# Allegro board RK3588S_Template_LP4XD200P232SD10H2_30X30_2133MHz_H1R6_V11_20220218YWQ.brd (continued)
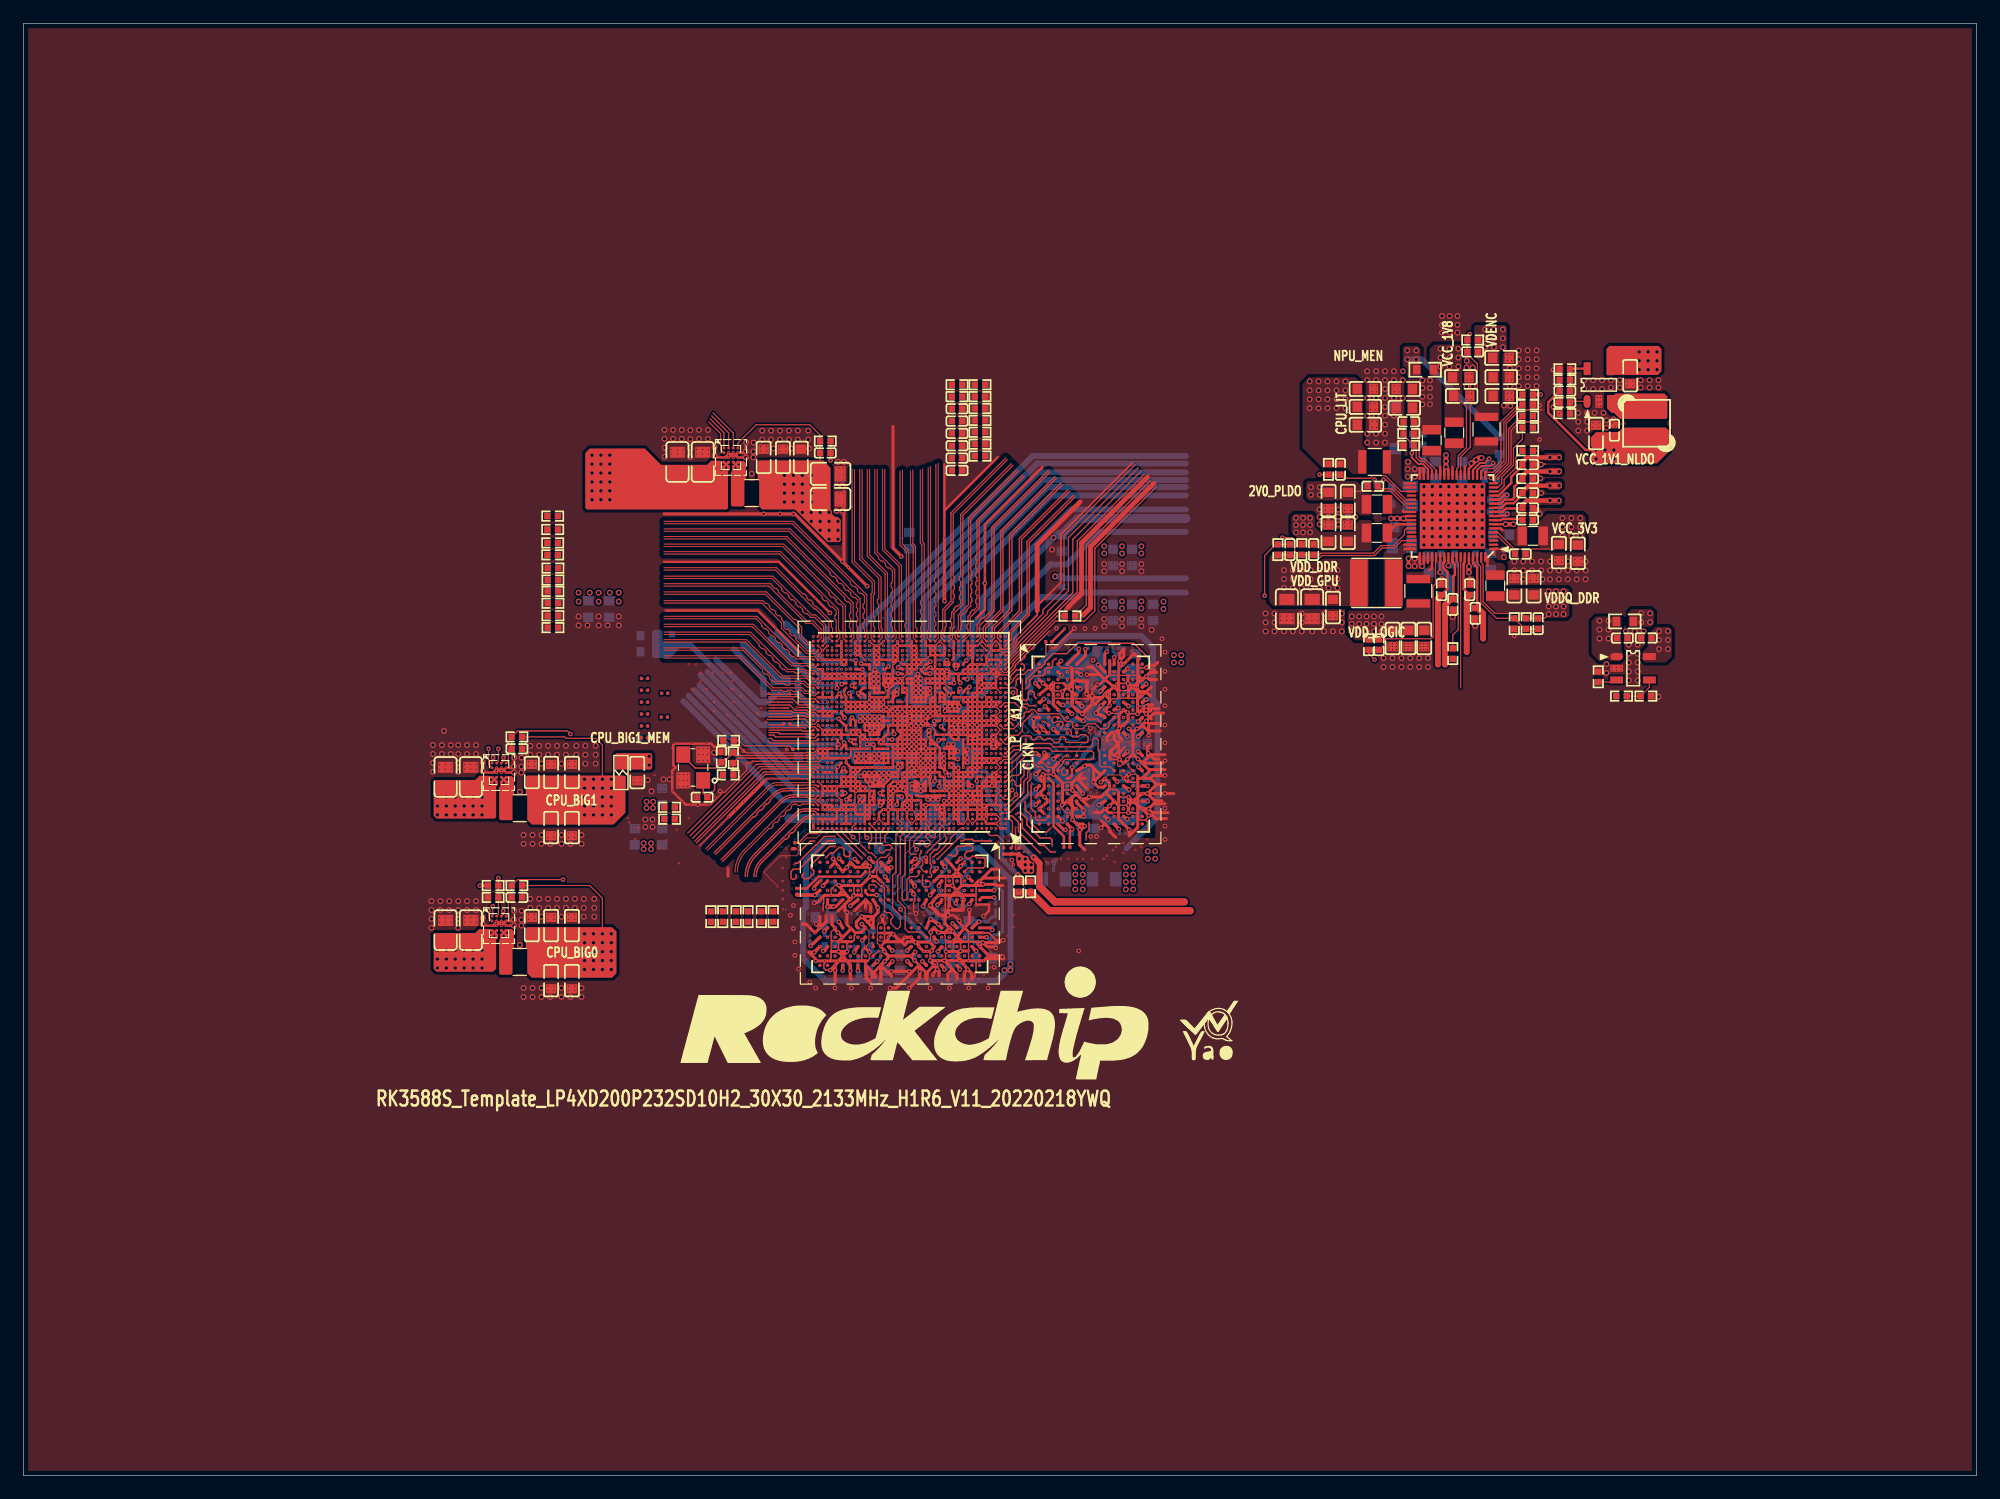
[diagram p0: board, top side]
## Footprints (pads in the part's own frame, mm; a bottom-side part is the same pattern mirrored in y, then rotated) (continued)
C0201
  custom 0.294x0.3 smd: 1(-0.25,0) 2(0.25,0)
C0402
  rect 0.55x0.55 smd: 1(-0.45,0) 2(0.45,0)
C0603
  rect 0.8x0.9 smd: 1(-0.7,0) 2(0.7,0)
C0805
  rect 0.95x1.3 smd: 1(-0.825,0) 2(0.825,0)
CRY4_3R20X2R50X0R80
  rect 1.4x1.2 smd: 1(-1.1,-0.85) 2(1.1,-0.85) 3(1.1,0.85) 4(-1.1,0.85)
ESD0402
  custom 0.868x0.636 smd: 1(-0.635,-0.02)
  custom 0.86x0.636 smd: 2(0.622,0)
IND_201610
  rect 0.8x1.6 smd: 1(-0.9,0) 2(0.9,0)
IND_252012
  rect 0.7x2 smd: 1(-1.05,0) 2(1.05,0)
IND_303015
  rect 3.4x1.3 smd: 1(0,1.05) 2(0,-1.05)
IND_404020
  rect 1.5x4 smd: 1(-1.5,0) 2(1.5,0)
L0603
  rect 0.965x0.8 smd: 1(-0.8,0) 2(0.8,0)
QFN68_7R00X7R00X0R80_T
  oval 0.8x0.2 smd: 1(-3.5,2.8)
  rect 0.8x0.2 smd: 2(-3.5,2.45) 3(-3.5,2.1) 4(-3.5,1.75) 5(-3.5,1.4) 6(-3.5,1.05) 7(-3.5,0.7) 8(-3.5,0.35) 9(-3.5,0) 10(-3.5,-0.35) 11(-3.5,-0.7) 12(-3.5,-1.05) 13(-3.5,-1.4) 14(-3.5,-1.75) 15(-3.5,-2.1) 16(-3.5,-2.45) 17(-3.5,-2.8) 35(3.5,-2.8) 36(3.5,-2.45) 37(3.5,-2.1) 38(3.5,-1.75) 39(3.5,-1.4) 40(3.5,-1.05) 41(3.5,-0.7) 42(3.5,-0.35) 43(3.5,0) 44(3.5,0.35) 45(3.5,0.7) 46(3.5,1.05) 47(3.5,1.4) 48(3.5,1.75) 49(3.5,2.1) 50(3.5,2.45) 51(3.5,2.8)
  rect 0.2x0.8 smd: 18(-2.8,-3.5) 19(-2.45,-3.5) 20(-2.1,-3.5) 21(-1.75,-3.5) 22(-1.4,-3.5) 23(-1.05,-3.5) 24(-0.7,-3.5) 25(-0.35,-3.5) 26(0,-3.5) 27(0.35,-3.5) 28(0.7,-3.5) 29(1.05,-3.5) 30(1.4,-3.5) 31(1.75,-3.5) 32(2.1,-3.5) 33(2.45,-3.5) 34(2.8,-3.5) 52(2.8,3.5) 53(2.45,3.5) 54(2.1,3.5) 55(1.75,3.5) 56(1.4,3.5) 57(1.05,3.5) 58(0.7,3.5) 59(0.35,3.5) 60(0,3.5) 61(-0.35,3.5) 62(-0.7,3.5) 63(-1.05,3.5) 64(-1.4,3.5) 65(-1.75,3.5) 66(-2.1,3.5) 67(-2.45,3.5) 68(-2.8,3.5)
  rect 5.6x5.6 smd: 69(0,0)
R0201
  custom 0.294x0.3 smd: 1(-0.25,0) 2(0.25,0)
R0402
  rect 0.55x0.55 smd: 1(-0.45,0) 2(0.45,0)
R0603
  rect 0.65x0.8 smd: 1(-0.725,0) 2(0.725,0)
R0805
  rect 1x1.2 smd: 1(-1,0) 2(1,0)
SOD_123
  rect 1x1 smd: 1(-1.8,0) 2(1.8,0)
SOT_23_5
  oval 1.1x0.6 smd: 1(0,0)
  rect 1.1x0.6 smd: 2(0,-1) 3(0,-2) 4(2.8,-2) 5(2.8,0)
WLCSP20_1R65X2R05X0R63
  round 0.25 smd: A1(-0.6,0.8) A2(-0.2,0.8) A3(0.2,0.8) A4(0.6,0.8) B1(-0.6,0.4) B2(-0.2,0.4) B3(0.2,0.4) B4(0.6,0.4) C1(-0.6,0) C2(-0.2,0) C3(0.2,0) C4(0.6,0) D1(-0.6,-0.4) D2(-0.2,-0.4) D3(0.2,-0.4) D4(0.6,-0.4) E1(-0.6,-0.8) E2(-0.2,-0.8) E3(0.2,-0.8) E4(0.6,-0.8)

## Nets
AVDD1V8_DDR_PLL_S0: C1209.1 C1214.1 C2290.1 R2274.2 U1000.L15(DDR_CH1_PLL_AVDD1V8) U1000.Y14(DDR_CH0_PLL_AVDD1V8)
GND: C1000.2 C1001.2 C1002.2 C1003.2 C1004.2 C1005.2 C1006.2 C1007.2 C1008.2 C1009.2 C1010.2 C1011.2 C1012.2 C1013.2 C1014.2 C1015.2 C1017.2 C1019.2 C1020.2 C1021.2 C1022.2 C1023.2 C1024.2 C1025.2 C1026.2 C1027.2 C1028.2 C1029.2 C1030.2 C1031.2 C1032.2 C1033.2 C1034.2 C1035.2 C1036.2 C1037.2 C1038.2 C1039.2 C1040.2 C1041.2 C1042.2 C1043.2 C1050.2 C1051.2 C1052.2 C1053.2 C1054.2 C1055.2 C1056.2 C1057.2 C1058.2 C1059.2 C1060.2 C1061.2 C1063.2 C1070.2 C1071.2 C1072.2 C1073.2 C1074.2 C1075.2 C1076.2 C1077.2 C1078.2 C1079.2 C1080.2 C1081.2 C1082.2 C1083.2 C1084.2 C1085.2 C1087.2 C1090.2 C1100.2 C1101.2 C1103.2 C1104.2 C1105.2 C1106.2 C1107.2 C1110.2 C1111.2 C1112.2 C1113.2 C1114.2 C1125.2 C1200.2 C1202.2 C1203.2 C1204.2 C1205.2 C1206.2 C1207.2 C1208.2 C1209.2 C1210.2 C1211.2 C1212.2 C1213.2 C1214.2 C1215.2 C1216.2 C1217.2 C1218.2 C1219.2 C1220.2 C1221.2 C1222.2 C1223.2 C1224.2 C1250.2 C1251.2 C1252.2 C1253.2 C1300.2 C1301.2 C1302.2 C1400.2 C1401.2 C1402.2 C1403.2 C1404.2 C1405.2 C1406.2 C1407.2 C1500.2 C1501.2 C1502.2 C1503.2 C1504.2 C1505.2 C1506.2 C1507.2 C1508.2 C1600.2 C1601.2 C1602.2 C1603.2 C1604.2 C1605.2 C1607.2 C1608.2 C1609.2 C1610.2 C1611.2 C1612.2 C1613.2 C1710.2 C1711.2 C1712.2 C1713.2 C1714.2 C1716.2 C1718.2 C1725.2 C1800.2 C1801.2 C1802.2 C1803.2 C1902.2 C1903.2 C1904.2 C1905.2 C1906.2 C1907.2 C2200.2 C2201.2 C2202.2 C2203.2 C2205.2 C2210.2 C2213.2 C2214.2 C2215.2 C2217.2 C2218.2 C2225.2 C2226.2 C2227.2 C2228.2 C2231.2 C2232.2 C2235.2 C2236.2 C2237.2 C2238.2 C2239.2 C2240.2 C2241.2 C2242.2 C2243.2 C2244.2 C2245.2 C2246.2 C2247.2 C2248.2 C2249.2 C2250.2 C2251.2 C2252.2 C2253.2 C2254.2 C2255.2 C2257.2 C2258.2 C2259.2 C2260.2 C2261.2 C2262.2 C2263.2 C2264.2 C2265.2 C2280.2 C2281.2 C2282.2 C2283.2 C2290.2 C2300.2 C2301.2 C2302.2 C2303.2 C2304.2 C2305.2 C2307.2 C2308.2 C2309.2 C2311.2 C2312.2 C2313.2 C2314.2 C2315.2 C2316.2 C2317.2 C2318.2 C2320.2 C2321.2 C2322.2 C2323.2 C2324.2 C2325.2 C2327.2 C2328.2 C2329.2 C2330.2 C2331.2 C3807.2 C3808.2 C3809.2 C3810.2 C3811.2 C3812.2 C3813.2 C3814.2 C3815.2 C3816.2 C3817.2 C3818.2 C3819.2 C3820.2 C3821.2 C3822.2 C3823.2 C3824.2 C3825.2 C3826.2 C3827.2 C3828.2 C3829.2 C3830.2 C3831.2 C3832.2 C3833.2 C3834.2 C3835.2 C3836.2 C3837.2 C3838.2 C3839.2 C3840.2 C3841.2 C3842.2 C3843.2 C3844.2 C3845.2 C3846.2 C3847.2 C3848.2 C3849.2 C3850.2 C3851.2 C3852.2 C3853.2 C3854.2 C3855.2 C3856.2 C3857.2 C3858.2 C3859.2 C3860.2 C3861.2 C3862.2 C3863.2 C3864.2 C3865.2 C3866.2 C3867.2 C3868.2 C3869.2 C3870.2 C3871.2 C3872.2 C3873.2 C3874.2 C3875.2 C3876.2 C3877.2 C3878.2 C3879.2 C3880.2 C3881.2 C3882.2 C3883.2 C3884.2 C3885.2 C3886.2 C3887.2 C3888.2 C3889.2 C3890.2 C3898.2 C3899.2 C4003.2 D2600.1(ANODE) ED2200.2 R1400.2 R1404.2 R1405.2 R1406.2 R1502.2 R1507.2 R1508.2 R1708.2 R2227.2 R2241.2 R2258.2 R2265.1 R2303.2 R2307.2 R2310.2 R2311.2 U1000.A1(VSS_1) U1000.A2(VSS_2) U1000.A42(VSS_3) U1000.AA3(VSS_296) U1000.AA6(VSS_297) U1000.AA7(VSS_298) U1000.AA8(VSS_299) U1000.AA9(VSS_300) U1000.AA10(VSS_301) U1000.AA11(VSS_302) U1000.AA12(VSS_303) U1000.AA14(DDR_CH0_PLL_AVSS) U1000.AA19(VSS_304) U1000.AA22(VSS_305) U1000.AA23(VSS_306) U1000.AA26(PLL_AVSS) U1000.AA31(VSS_307) U1000.AA37(VSS_308) U1000.AA38(VSS_309) U1000.AA39(VSS_310) U1000.AA40(VSS_311) U1000.AB2(VSS_312) U1000.AB6(VSS_313) U1000.AB9(VSS_314) U1000.AB10(VSS_315) U1000.AB11(VSS_316) U1000.AB12(VSS_317) U1000.AB19(VSS_318) U1000.AB20(VSS_319) U1000.AB21(VSS_320) U1000.AB22(VSS_321) U1000.AB23(VSS_322) U1000.AB24(VSS_323) U1000.AB32(VSS_324) U1000.AB33(VSS_325) U1000.AB34(VSS_326) U1000.AB36(VSS_327) U1000.AB37(VSS_328) U1000.AB38(VSS_329) U1000.AB39(VSS_330) U1000.AB40(VSS_331) U1000.AC3(VSS_332) U1000.AC4(VSS_333) U1000.AC5(VSS_334) U1000.AC6(VSS_335) U1000.AC17(VSS_336) U1000.AC18(VSS_337) U1000.AC22(VSS_338) U1000.AC23(VSS_339) U1000.AC24(VSS_340) U1000.AC25(VSS_341) U1000.AC26(VSS_342) U1000.AC41(VSS_343) U1000.AD2(VSS_344) U1000.AD3(VSS_345) U1000.AD5(VSS_346) U1000.AD6(VSS_347) U1000.AD8(VSS_348) U1000.AD9(VSS_349) U1000.AD10(VSS_350) U1000.AD11(VSS_351) U1000.AD12(VSS_352) U1000.AD13(VSS_353) U1000.AD14(VSS_354) U1000.AD19(VSS_355) U1000.AD20(VSS_356) U1000.AD22(VSS_357) U1000.AD23(VSS_358) U1000.AD24(VSS_359) U1000.AD25(VSS_360) U1000.AE6(VSS_361) U1000.AE7(VSS_362) U1000.AE8(VSS_363) U1000.AE9(VSS_364) U1000.AE10(VSS_365) U1000.AE11(VSS_366) U1000.AE12(VSS_367) U1000.AE13(VSS_368) U1000.AE14(VSS_369) U1000.AE15(VSS_370) U1000.AE16(VSS_371) U1000.AE19(VSS_372) U1000.AE20(VSS_373) U1000.AE22(VSS_374) U1000.AE23(VSS_375) U1000.AE24(VSS_376) U1000.AE25(VSS_377) U1000.AE26(VSS_378) U1000.AE38(VSS_379) U1000.AE39(VSS_380) U1000.AE40(VSS_381) U1000.AF2(VSS_382) U1000.AF6(VSS_383) U1000.AF7(VSS_384) U1000.AF8(VSS_385) U1000.AF9(VSS_386) U1000.AF10(VSS_387) U1000.AF16(VSS_388) U1000.AF17(VSS_389) U1000.AF19(VSS_390) U1000.AF20(VSS_391) U1000.AF21(VSS_392) U1000.AF26(VSS_393) U1000.AF27(VSS_394) U1000.AF28(VSS_395) U1000.AF29(VSS_396) U1000.AF30(VSS_397) U1000.AF31(VSS_398) U1000.AF32(VSS_399) U1000.AF33(VSS_400) U1000.AF34(VSS_401) U1000.AF35(RESERVED) U1000.AF37(VSS_402) U1000.AF38(VSS_403) U1000.AF39(VSS_404) U1000.AF40(VSS_405) U1000.AF41(VSS_406) U1000.AG3(VSS_407) U1000.AG4(VSS_408) U1000.AG5(VSS_409) U1000.AG6(VSS_410) U1000.AG7(VSS_411) U1000.AG8(VSS_412) U1000.AG15(VSS_413) U1000.AG16(VSS_414) U1000.AG17(VSS_415) U1000.AG18(VSS_416) U1000.AG19(VSS_417) U1000.AG20(VSS_418) U1000.AG21(VSS_419) U1000.AG22(VSS_420) U1000.AG23(VSS_421) U1000.AG24(VSS_422) U1000.AG25(VSS_423) U1000.AG28(VSS_424) U1000.AG29(VSS_425) U1000.AG31(VSS_426) U1000.AG32(VSS_427) U1000.AG33(VSS_428) U1000.AG34(VSS_429) U1000.AG35(VSS_430) U1000.AG40(VSS_431) U1000.AH2(VSS_432) U1000.AH3(VSS_433) U1000.AH4(VSS_434) U1000.AH5(VSS_435) U1000.AH7(VSS_436) U1000.AH8(VSS_437) U1000.AH9(VSS_438) U1000.AH10(VSS_439) U1000.AH16(VSS_440) U1000.AH17(VSS_441) U1000.AH28(VSS_442) U1000.AH29(VSS_443) U1000.AH36(VSS_444) U1000.AJ5(VSS_445) U1000.AJ7(VSS_446) U1000.AJ8(VSS_447) U1000.AJ9(VSS_448) U1000.AJ10(VSS_449) U1000.AJ11(VSS_450) U1000.AJ12(VSS_451) U1000.AJ16(VSS_452) U1000.AJ26(VSS_453) U1000.AJ27(VSS_454) U1000.AJ28(VSS_455) U1000.AJ29(VSS_456) U1000.AJ30(VSS_457) U1000.AJ35(VSS_458) U1000.AJ38(VSS_459) U1000.AJ39(VSS_460) U1000.AJ40(VSS_461) U1000.AJ41(VSS_462) U1000.AK2(VSS_463) U1000.AK6(VSS_464) U1000.AK7(VSS_465) U1000.AK16(VSS_466) U1000.AK22(VSS_467) U1000.AK26(VSS_468) U1000.AK30(VSS_469) U1000.AK40(VSS_470) U1000.AL3(VSS_471) U1000.AL4(VSS_472) U1000.AL5(VSS_473) U1000.AL15(AVSS_24) U1000.AL16(VSS_474) U1000.AL22(VSS_475) U1000.AL35(VSS_476) U1000.AM4(VSS_477) U1000.AM5(VSS_478) U1000.AM14(AVSS_25) U1000.AM15(AVSS_26) U1000.AM16(VSS_479) U1000.AM17(VSS_480) U1000.AM23(VSS_481) U1000.AM25(VSS_482) U1000.AM27(VSS_483) U1000.AM31(VSS_484) U1000.AM32(VSS_485) U1000.AM41(VSS_486) U1000.AN3(VSS_487) U1000.AN6(VSS_488) U1000.AN7(VSS_489) U1000.AN11(AVSS_27) U1000.AN13(AVSS_28) U1000.AN14(AVSS_29) U1000.AN15(AVSS_30) U1000.AN17(VSS_490) U1000.AN18(AVSS_31) U1000.AN23(VSS_491) U1000.AN25(VSS_492) U1000.AN31(VSS_493) U1000.AN32(VSS_494) U1000.AN33(VSS_495) U1000.AN34(VSS_496) U1000.AN35(VSS_497) U1000.AN37(VSS_498) U1000.AN38(VSS_499) U1000.AN39(VSS_500) U1000.AN40(VSS_501) U1000.AP2(VSS_502) U1000.AP5(VSS_503) U1000.AP6(VSS_504) U1000.AP7(AVSS_32) U1000.AP8(AVSS_33) U1000.AP9(AVSS_34) U1000.AP10(AVSS_35) U1000.AP11(AVSS_36) U1000.AP16(AVSS_37) U1000.AP22(AVSS_38) U1000.AP25(VSS_505) U1000.AP27(VSS_506) U1000.AP31(AVSS_39) U1000.AP32(AVSS_40) U1000.AP33(VSS_507) U1000.AP34(VSS_508) U1000.AP35(VSS_509) U1000.AP37(VSS_510) U1000.AP38(VSS_511) U1000.AP39(VSS_512) U1000.AP40(VSS_513) U1000.AR3(VSS_514) U1000.AR4(VSS_515) U1000.AR9(AVSS_41) U1000.AR16(AVSS_42) U1000.AR18(AVSS_43) U1000.AR20(AVSS_44) U1000.AR21(AVSS_45) U1000.AR22(AVSS_46) U1000.AR25(AVSS_47) U1000.AR40(VSS_516) U1000.AR41(VSS_517) U1000.AT2(VSS_518) U1000.AT5(VSS_519) U1000.AT6(VSS_520) U1000.AT7(AVSS_48) U1000.AT8(AVSS_49) U1000.AT16(AVSS_50) U1000.AT19(AVSS_51) U1000.AT20(AVSS_52) U1000.AT21(AVSS_53) U1000.AT22(AVSS_54) U1000.AT23(AVSS_55) U1000.AT29(AVSS_56) U1000.AT36(VSS_521) U1000.AU2(VSS_522) U1000.AU3(VSS_523) U1000.AU4(VSS_524) U1000.AU8(AVSS_57) U1000.AU16(AVSS_58) U1000.AU18(AVSS_59) U1000.AU19(AVSS_60) U1000.AU21(AVSS_61) U1000.AU24(AVSS_62) U1000.AU25(AVSS_63) U1000.AU27(AVSS_64) U1000.AU28(AVSS_65) U1000.AU29(AVSS_66) U1000.AU31(AVSS_67) U1000.AU35(VSS_525) U1000.AU38(VSS_526) U1000.AU39(VSS_527) U1000.AU40(VSS_528) U1000.AV5(VSS_529) U1000.AV8(AVSS_68) U1000.AV9(AVSS_69) U1000.AV12(AVSS_70) U1000.AV14(AVSS_71) U1000.AV15(AVSS_72) U1000.AV16(AVSS_73) U1000.AV21(AVSS_74) U1000.AV25(AVSS_75) U1000.AV29(AVSS_76) U1000.AV32(AVSS_77) U1000.AV33(AVSS_78) U1000.AV36(VSS_530) U1000.AV41(VSS_531) U1000.AW3(VSS_532) U1000.AW4(VSS_533) U1000.AW8(AVSS_79) U1000.AW9(AVSS_80) U1000.AW12(AVSS_81) U1000.AW14(AVSS_82) U1000.AW16(AVSS_83) U1000.AW17(AVSS_84) U1000.AW21(AVSS_85) U1000.AW25(AVSS_86) U1000.AW28(AVSS_87) U1000.AW29(AVSS_88) U1000.AW32(AVSS_89) U1000.AW33(AVSS_90) U1000.AW36(AVSS_91) U1000.AW40(AVSS_92) U1000.AY2(AVSS_93) U1000.AY4(AVSS_94) U1000.AY5(AVSS_95) U1000.AY7(AVSS_96) U1000.AY8(AVSS_97) U1000.AY9(AVSS_98) U1000.AY12(AVSS_99) U1000.AY14(AVSS_100) U1000.AY16(AVSS_101) U1000.AY17(AVSS_102) U1000.AY18(AVSS_103) U1000.AY21(AVSS_104) U1000.AY22(AVSS_105) U1000.AY23(AVSS_106) U1000.AY25(AVSS_107) U1000.AY28(AVSS_108) U1000.AY29(AVSS_109) U1000.AY32(AVSS_110) U1000.AY33(AVSS_111) U1000.AY36(AVSS_112) U1000.AY37(AVSS_113) U1000.AY39(AVSS_114) U1000.AY41(AVSS_115) U1000.B3(VSS_4) U1000.B5(VSS_5) U1000.B8(VSS_6) U1000.B10(VSS_7) U1000.B11(VSS_8) U1000.B14(VSS_9) U1000.B17(VSS_10) U1000.B19(VSS_11) U1000.B21(VSS_12) U1000.B23(VSS_13) U1000.B26(VSS_14) U1000.B27(VSS_15) U1000.B29(VSS_16) U1000.B31(VSS_17) U1000.B34(VSS_18) U1000.B35(VSS_19) U1000.B36(VSS_20) U1000.B38(VSS_21) U1000.B40(VSS_22) U1000.B42(VSS_23) U1000.BA3(AVSS_116) U1000.BA6(AVSS_117) U1000.BA9(AVSS_118) U1000.BA12(AVSS_119) U1000.BA15(AVSS_120) U1000.BA18(AVSS_121) U1000.BA21(AVSS_122) U1000.BA24(AVSS_123) U1000.BA27(AVSS_124) U1000.BA30(AVSS_125) U1000.BA33(AVSS_126) U1000.BA36(AVSS_127) U1000.BB1(AVSS_128) U1000.BB42(AVSS_129) U1000.C2(VSS_24) U1000.C6(VSS_25) U1000.C7(VSS_26) U1000.C9(VSS_27) U1000.C11(VSS_28) U1000.C12(VSS_29) U1000.C14(VSS_30) U1000.C15(VSS_31) U1000.C18(VSS_32) U1000.C19(VSS_33) U1000.C20(VSS_34) U1000.C22(VSS_35) U1000.C24(VSS_36) U1000.C26(VSS_37) U1000.C28(VSS_38) U1000.C30(VSS_39) U1000.C35(VSS_40) U1000.C37(VSS_41) U1000.C39(VSS_42) U1000.C41(AVSS_1) U1000.D3(VSS_43) U1000.D4(VSS_44) U1000.D7(VSS_45) U1000.D11(VSS_46) U1000.D14(VSS_47) U1000.D15(VSS_48) U1000.D18(VSS_49) U1000.D19(VSS_50) U1000.D22(VSS_51) U1000.D26(VSS_52) U1000.D30(VSS_53) U1000.D31(VSS_54) U1000.D32(VSS_55) U1000.E2(VSS_56) U1000.E5(VSS_57) U1000.E6(VSS_58) U1000.E8(VSS_59) U1000.E9(VSS_60) U1000.E10(VSS_61) U1000.E12(VSS_62) U1000.E16(VSS_63) U1000.E18(VSS_64) U1000.E19(VSS_65) U1000.E21(VSS_66) U1000.E23(VSS_67) U1000.E25(VSS_68) U1000.E27(VSS_69) U1000.E30(VSS_70) U1000.E31(VSS_71) U1000.E33(VSS_72) U1000.E34(VSS_73) U1000.E37(VSS_74) U1000.E38(VSS_75) U1000.E39(VSS_76) U1000.E40(AVSS_2) U1000.F2(VSS_77) U1000.F3(VSS_78) U1000.F4(VSS_79) U1000.F8(VSS_80) U1000.F9(VSS_81) U1000.F10(VSS_82) U1000.F13(VSS_83) U1000.F14(VSS_84) U1000.F15(VSS_85) U1000.F16(VSS_86) U1000.F19(VSS_87) U1000.F21(VSS_88) U1000.F23(VSS_89) U1000.F29(VSS_90) U1000.F31(VSS_91) U1000.F33(VSS_92) U1000.F34(VSS_93) U1000.F35(VSS_94) U1000.F36(VSS_95) U1000.F38(VSS_96) U1000.F39(VSS_97) U1000.F40(AVSS_3) U1000.G3(VSS_98) U1000.G6(VSS_99) U1000.G8(VSS_100) U1000.G9(VSS_101) U1000.G10(VSS_102) U1000.G12(VSS_103) U1000.G20(VSS_104) U1000.G21(VSS_105) U1000.G22(VSS_106) U1000.G25(VSS_107) U1000.G26(VSS_108) U1000.G29(VSS_109) U1000.G36(AVSS_4) U1000.G41(AVSS_5) U1000.H3(VSS_110) U1000.H4(VSS_111) U1000.H5(VSS_112) U1000.H6(VSS_113) U1000.H11(VSS_114) U1000.H12(VSS_115) U1000.H22(VSS_116) U1000.H25(VSS_117) U1000.H29(VSS_118) U1000.H37(AVSS_6) U1000.H40(AVSS_7) U1000.J2(VSS_119) U1000.J6(VSS_120) U1000.J7(VSS_121) U1000.J8(VSS_122) U1000.J9(VSS_123) U1000.J10(VSS_124) U1000.J12(VSS_125) U1000.J14(VSS_126) U1000.J15(VSS_127) U1000.J16(VSS_128) U1000.J22(VSS_129) U1000.J24(VSS_130) U1000.J26(VSS_131) U1000.J29(VSS_132) U1000.J30(VSS_133) U1000.J31(VSS_134) U1000.J38(AVSS_8) U1000.J39(AVSS_9) U1000.J40(AVSS_10) U1000.K3(VSS_135) U1000.K6(VSS_136) U1000.K7(VSS_137) U1000.K10(VSS_138) U1000.K11(VSS_139) U1000.K12(VSS_140) U1000.K14(VSS_141) U1000.K17(VSS_142) U1000.K22(VSS_143) U1000.K23(VSS_144) U1000.K25(VSS_145) U1000.K26(VSS_146) U1000.K31(VSS_147) U1000.K32(VSS_148) U1000.K33(VSS_149) U1000.K34(AVSS_11) U1000.K35(AVSS_12) U1000.K36(AVSS_13) U1000.K37(AVSS_14) U1000.K38(AVSS_15) U1000.K39(AVSS_16) U1000.K40(AVSS_17) U1000.L2(VSS_150) U1000.L3(VSS_151) U1000.L5(VSS_152) U1000.L6(VSS_153) U1000.L10(VSS_154) U1000.L11(VSS_155) U1000.L12(VSS_156) U1000.L14(VSS_157) U1000.L22(VSS_158) U1000.L23(VSS_159) U1000.L24(VSS_160) U1000.L32(VSS_161) U1000.L33(VSS_162) U1000.L34(AVSS_18) U1000.L35(AVSS_19) U1000.L36(VSS_163) U1000.L41(AVSS_20) U1000.M2(VSS_164) U1000.M5(VSS_165) U1000.M8(VSS_166) U1000.M9(VSS_167) U1000.M10(VSS_168) U1000.M12(VSS_169) U1000.M14(VSS_170) U1000.M17(VSS_171) U1000.M19(VSS_172) U1000.M21(VSS_173) U1000.M22(VSS_174) U1000.M23(VSS_175) U1000.M33(AVSS_21) U1000.M34(AVSS_22) U1000.M35(VSS_176) U1000.M36(VSS_177) U1000.N3(VSS_178) U1000.N7(VSS_179) U1000.N9(VSS_180) U1000.N11(VSS_181) U1000.N12(VSS_182) U1000.N15(DDR_CH1_PLL_AVSS) U1000.N16(VSS_183) U1000.N17(VSS_184) U1000.N18(VSS_185) U1000.N21(VSS_186) U1000.N22(VSS_187) U1000.N33(AVSS_23) U1000.N34(VSS_188) U1000.N38(VSS_189) U1000.N39(VSS_190) U1000.N40(VSS_191) U1000.P2(VSS_192) U1000.P6(VSS_193) U1000.P7(VSS_194) U1000.P8(VSS_195) U1000.P9(VSS_196) U1000.P12(VSS_197) U1000.P16(VSS_198) U1000.P17(VSS_199) U1000.P18(VSS_200) U1000.P19(VSS_201) U1000.P25(VSS_202) U1000.P26(VSS_203) U1000.P27(VSS_204) U1000.P28(VSS_205) U1000.P29(VSS_206) U1000.P30(VSS_207) U1000.P31(VSS_208) U1000.P32(VSS_209) U1000.P33(VSS_210) U1000.P34(VSS_211) U1000.R3(VSS_212) U1000.R4(VSS_213) U1000.R8(VSS_214) U1000.R16(VSS_215) U1000.R20(VSS_216) U1000.R21(VSS_217) U1000.R25(VSS_218) U1000.R35(VSS_219) U1000.T2(VSS_220) U1000.T3(VSS_221) U1000.T4(VSS_222) U1000.T7(VSS_223) U1000.T16(VSS_224) U1000.T17(VSS_225) U1000.T18(VSS_226) U1000.T20(VSS_227) U1000.T21(VSS_228) U1000.T24(VSS_229) U1000.T25(VSS_230) U1000.T35(VSS_231) U1000.T36(VSS_232) U1000.T37(VSS_233) U1000.T38(VSS_234) U1000.T39(VSS_235) U1000.T40(VSS_236) U1000.U6(VSS_237) U1000.U7(VSS_238) U1000.U8(VSS_239) U1000.U16(VSS_240) U1000.U17(VSS_241) U1000.U18(VSS_242) U1000.U20(VSS_243) U1000.U21(VSS_244) U1000.U22(VSS_245) U1000.U23(VSS_246) U1000.U24(VSS_247) U1000.U25(VSS_248) U1000.U39(VSS_249) U1000.U40(VSS_250) U1000.U41(VSS_251) U1000.V3(VSS_252) U1000.V6(VSS_253) U1000.V7(VSS_254) U1000.V8(VSS_255) U1000.V16(VSS_256) U1000.V17(VSS_257) U1000.V19(VSS_258) U1000.V23(VSS_259) U1000.V24(VSS_260) U1000.V25(VSS_261) U1000.V30(VSS_262) U1000.V31(VSS_263) U1000.V32(VSS_264) U1000.V33(VSS_265) U1000.V34(VSS_266) U1000.V38(VSS_267) U1000.V39(VSS_268) U1000.V40(VSS_269) U1000.V41(TVSS) U1000.W2(VSS_270) U1000.W5(VSS_271) U1000.W7(VSS_272) U1000.W8(VSS_273) U1000.W9(VSS_274) U1000.W18(VSS_275) U1000.W19(VSS_276) U1000.W22(VSS_277) U1000.W23(VSS_278) U1000.W24(VSS_279) U1000.W26(VSS_280) U1000.Y3(VSS_281) U1000.Y4(VSS_282) U1000.Y5(VSS_283) U1000.Y6(VSS_284) U1000.Y11(VSS_285) U1000.Y18(VSS_286) U1000.Y19(VSS_287) U1000.Y22(VSS_288) U1000.Y23(VSS_289) U1000.Y24(VSS_290) U1000.Y28(VSS_291) U1000.Y29(VSS_292) U1000.Y30(VSS_293) U1000.Y31(VSS_294) U1000.Y32(VSS_295) U2200.69(EPAD) U2300.B2(GND1) U2300.B3(GND2) U2300.B4(AGND) U2300.C1(GND3) U2300.C2(GND4) U2300.C3(GND5) U2300.C4(GND6) U2301.B2(GND1) U2301.B3(GND2) U2301.B4(AGND) U2301.C1(GND3) U2301.C2(GND4) U2301.C3(GND5) U2301.C4(GND6) U2302.B2(GND1) U2302.B3(GND2) U2302.B4(AGND) U2302.C1(GND3) U2302.C2(GND4) U2302.C3(GND5) U2302.C4(GND6) U2303.2(GND) U2304.2(GND) U3800.A3(VSS_1) U3800.A10(VSS_2) U3800.AB3(VSS_55) U3800.AB5(VSS_56) U3800.AB8(VSS_57) U3800.AB10(VSS_58) U3800.C1(VSS_3) U3800.C5(VSS_4) U3800.C8(VSS_5) U3800.C12(VSS_6) U3800.D2(VSS_7) U3800.D4(VSS_8) U3800.D9(VSS_9) U3800.D11(VSS_10) U3800.E1(VSS_11) U3800.E5(VSS_12) U3800.E8(VSS_13) U3800.E12(VSS_14) U3800.G1(VSS_15) U3800.G3(VSS_16) U3800.G5(VSS_17) U3800.G8(VSS_18) U3800.G10(VSS_19) U3800.G12(VSS_20) U3800.J1(VSS_21) U3800.J3(VSS_22) U3800.J10(VSS_23) U3800.J12(VSS_24) U3800.K2(VSS_25) U3800.K4(VSS_26) U3800.K9(VSS_27) U3800.K11(VSS_28) U3800.N2(VSS_29) U3800.N4(VSS_30) U3800.N9(VSS_31) U3800.N11(VSS_32) U3800.P1(VSS_33) U3800.P3(VSS_34) U3800.P10(VSS_35) U3800.P12(VSS_36) U3800.T1(VSS_37) U3800.T3(VSS_38) U3800.T5(VSS_39) U3800.T8(VSS_40) U3800.T10(VSS_41) U3800.T12(VSS_42) U3800.V1(VSS_43) U3800.V5(VSS_44) U3800.V8(VSS_45) U3800.V12(VSS_46) U3800.W2(VSS_47) U3800.W4(VSS_48) U3800.W9(VSS_49) U3800.W11(VSS_50) U3800.Y1(VSS_51) U3800.Y5(VSS_52) U3800.Y8(VSS_53) U3800.Y12(VSS_54) U3801.A3(VSS_1) U3801.A10(VSS_2) U3801.AB3(VSS_55) U3801.AB5(VSS_56) U3801.AB8(VSS_57) U3801.AB10(VSS_58) U3801.C1(VSS_3) U3801.C5(VSS_4) U3801.C8(VSS_5) U3801.C12(VSS_6) U3801.D2(VSS_7) U3801.D4(VSS_8) U3801.D9(VSS_9) U3801.D11(VSS_10) U3801.E1(VSS_11) U3801.E5(VSS_12) U3801.E8(VSS_13) U3801.E12(VSS_14) U3801.G1(VSS_15) U3801.G3(VSS_16) U3801.G5(VSS_17) U3801.G8(VSS_18) U3801.G10(VSS_19) U3801.G12(VSS_20) U3801.J1(VSS_21) U3801.J3(VSS_22) U3801.J10(VSS_23) U3801.J12(VSS_24) U3801.K2(VSS_25) U3801.K4(VSS_26) U3801.K9(VSS_27) U3801.K11(VSS_28) U3801.N2(VSS_29) U3801.N4(VSS_30) U3801.N9(VSS_31) U3801.N11(VSS_32) U3801.P1(VSS_33) U3801.P3(VSS_34) U3801.P10(VSS_35) U3801.P12(VSS_36) U3801.T1(VSS_37) U3801.T3(VSS_38) U3801.T5(VSS_39) U3801.T8(VSS_40) U3801.T10(VSS_41) U3801.T12(VSS_42) U3801.V1(VSS_43) U3801.V5(VSS_44) U3801.V8(VSS_45) U3801.V12(VSS_46) U3801.W2(VSS_47) U3801.W4(VSS_48) U3801.W9(VSS_49) U3801.W11(VSS_50) U3801.Y1(VSS_51) U3801.Y5(VSS_52) U3801.Y8(VSS_53) U3801.Y12(VSS_54) Y1100.2(GND#2) Y1100.4(GND#4)
VBUS_TYPEC: R2264.1
VCC1V8_PMU_DDR_S3: C1101.1 C1106.1 C1107.1 C3841.1 C3842.1 C3843.1 C3844.1 C3845.1 C3846.1 C3847.1 C3848.1 C3883.1 C3884.1 C3885.1 C3886.1 C3887.1 C3888.1 C3889.1 C3890.1 R1111.1 R1112.1 R1113.1 R1114.1 R2210.1 R2211.1 U1000.N37(PMUIO1_1V8_1) U1000.R36(PMUIO1_1V8_2) U1000.V35(PMUIO2_1) U1000.V36(PMUIO2_2) U1000.V37(PMUIO2_1V8_1) U1000.Y37(PMUIO2_1V8_2) U3800.F1(VDD1_1) U3800.F12(VDD1_2) U3800.G4(VDD1_3) U3800.G9(VDD1_4) U3800.T4(VDD1_5) U3800.T9(VDD1_6) U3800.U1(VDD1_7) U3800.U12(VDD1_8) U3801.F1(VDD1_1) U3801.F12(VDD1_2) U3801.G4(VDD1_3) U3801.G9(VDD1_4) U3801.T4(VDD1_5) U3801.T9(VDD1_6) U3801.U1(VDD1_7) U3801.U12(VDD1_8)
VCC_1V1_NLDO_S3: C2257.1 C2264.1 C2326.1 C2327.1 C2328.1 L2303.2 R2306.1 U2200.9(VCC14) U2200.13(VCC13)
VCC_1V8_S0: C1302.1 C1508.1 C1902.1 C1903.1 C1906.1 C2246.1 R1401.2 R1509.1 R1510.1 R1909.2 R1910.1 R1911.1 R1916.1 R1917.1 R1921.1 R1922.1 R1927.2 R2309.1 R4001.1 U1000.AJ34(VCCIO6_1V8) U1000.AK11(VCCIO2_1V8) U1000.G27(VCCIO4_1V8_1) U1000.G28(VCCIO4_1V8_2) U1000.G31(VCCIO4) U1000.H31(VCCIO1_1V8) U2200.60(PLDO1)
VCC_1V8_S3: C2242.1 C2243.1 L2208.1 R1908.2 R1928.2 R2211.2 R2261.1 R2263.1 R4000.1 U2200.25(VOUT10)
VCC_1V8_S3_PLDO6: C2248.1 R2210.2 U2200.20(VCCIO)
VCC_2V0_PLDO_S3: C2244.1 C2245.1 C2247.1 L2209.2 U2200.41(VOUT7) U2200.59(VCC11)
VCC_3V3_S0: C1907.1 C2331.1 R1914.1 R1915.1 R2308.2 U1000.AL33(VCCIO6_1) U1000.AM33(VCCIO6_2) U2304.1(VOUT)
VCC_3V3_S3: C2238.1 C2239.1 C2330.1 L2206.1 R2302.1 U2200.5(VOUT8) U2304.5(IN)
VCC_5V0_PWREN_H: U1000.AV26(GPIO4_A2_D)
VCC_SYSIN: C2200.1 C2201.1 C2213.1 C2225.1 C2226.1 C2235.1 C2236.1 C2241.1 C2252.1 C2300.1 C2301.1 C2302.1 C2303.1 C2317.1 C2318.1 C2325.1 ED2200.1 U2200.1(VCC9) U2200.7(VCC8) U2200.22(VCC4) U2200.27(VCC10) U2200.28(VCC6) U2200.33(VCC2_1) U2200.34(VCC2_2) U2200.43(VCC7) U2200.44(VCC5) U2200.52(VCC1_1) U2200.53(VCC1_2) U2200.54(VCC3) U2200.64(VCC12) U2300.D1(VIN_1) U2300.D2(VIN_2) U2300.E1(VIN_3) U2300.E2(VIN_4) U2301.D1(VIN_1) U2301.D2(VIN_2) U2301.E1(VIN_3) U2301.E2(VIN_4) U2302.D1(VIN_1) U2302.D2(VIN_2) U2302.E1(VIN_3) U2302.E2(VIN_4) U2303.4(VIN)
VCCA: C2254.1 U2200.21(VCCA)
VCCA_1V8_S0: C1100.1 C1104.1 C1114.1 C1403.1 C1404.1 C1506.1 C1600.1 C1601.1 C1609.1 C1610.1 C1713.1 C1714.1 C1716.1 C1802.1 C1803.1 C2249.1 R1402.2 R1500.2 R1501.1 R1505.1 R1506.1 R2274.1 U1000.AB25(PLL_AVDD1V8) U1000.AK12(HDMI/EDP_TX0_VDD_IO_1V8) U1000.AL14(HDMI/EDP_TX0_VDD_CMN_1V8) U1000.AM35(MIPI_CSI0_AVCC1V8) U1000.AP23(SARADC_AVDD_1V8) U1000.AR23(TYPEC0_DP0_VDDH_1V8) U1000.AR30(MIPI_D/C_PHY_VDD_1V8_1) U1000.AT30(MIPI_D/C_PHY_VDD_1V8_2) U1000.G34(PCIE20_SATA30_0_AVDD_1V8) U1000.H34(PCIE20_SATA30_USB30_2_AVDD_1V8) U1000.N35(OSC_1V8_1) U1000.N36(OSC_1V8_2) U2200.58(PLDO2)
VCCA_3V3_S0: C1405.1 C2251.1 R2308.1 U1000.AT10(USB20_AVDD_3V3) U2200.63(PLDO4)
VCCIO5: C1905.1 R1904.1 R1905.1 R1927.1 R1928.1 U1000.AC33(VCCIO5_1) U1000.AC34(VCCIO5_2)
VCCIO5_1V8: C1904.1 R1908.1 R1909.1 U1000.AF36(VCCIO5_1V8)
VCCIO_FLASH: C1300.1 C4003.1 R4000.2 R4001.2 U1000.AB35(EMMCIO_1V8_1) U1000.AC35(EMMCIO_1V8_2)
VCCIO_SD_S0: C1301.1 C2253.1 U1000.AK10(VCCIO2) U2200.65(PLDO5)
VDD2_DDR_S3: C2214.1 C2215.1 C2216.1 C3826.1 C3827.1 C3828.1 C3829.1 C3830.1 C3831.1 C3832.1 C3833.1 C3834.1 C3835.1 C3836.1 C3837.1 C3838.1 C3839.1 C3840.1 C3868.1 C3869.1 C3870.1 C3871.1 C3872.1 C3873.1 C3874.1 C3875.1 C3876.1 C3877.1 C3878.1 C3879.1 C3880.1 C3881.1 C3882.1 L2202.1 R2218.1 R3800.1 R3801.2 R3802.1 R3803.2 R3809.2 R3820.1 U2200.30(VOUT6) U3800.A4(VDD2_1) U3800.A9(VDD2_2) U3800.AB4(VDD2_23) U3800.AB9(VDD2_24) U3800.F5(VDD2_3) U3800.F8(VDD2_4) U3800.H1(VDD2_5) U3800.H5(VDD2_6) U3800.H8(VDD2_7) U3800.H12(VDD2_8) U3800.K1(VDD2_9) U3800.K3(VDD2_10) U3800.K10(VDD2_11) U3800.K12(VDD2_12) U3800.N1(VDD2_13) U3800.N3(VDD2_14) U3800.N10(VDD2_15) U3800.N12(VDD2_16) U3800.R1(VDD2_17) U3800.R5(VDD2_18) U3800.R8(VDD2_19) U3800.R12(VDD2_20) U3800.U5(VDD2_21) U3800.U8(VDD2_22) U3801.A4(VDD2_1) U3801.A9(VDD2_2) U3801.AB4(VDD2_23) U3801.AB9(VDD2_24) U3801.F5(VDD2_3) U3801.F8(VDD2_4) U3801.H1(VDD2_5) U3801.H5(VDD2_6) U3801.H8(VDD2_7) U3801.H12(VDD2_8) U3801.K1(VDD2_9) U3801.K3(VDD2_10) U3801.K10(VDD2_11) U3801.K12(VDD2_12) U3801.N1(VDD2_13) U3801.N3(VDD2_14) U3801.N10(VDD2_15) U3801.N12(VDD2_16) U3801.R1(VDD2_17) U3801.R5(VDD2_18) U3801.R8(VDD2_19) U3801.R12(VDD2_20) U3801.U5(VDD2_21) U3801.U8(VDD2_22)
VDD_0V75_S3: C1105.1 C1125.1 C2255.1 U1000.AJ36(PMU_0V75_1) U1000.AJ37(PMU_0V75_2) U2200.14(NLDO1)
VDD_CPU_BIG0_S0: C1002.1 C1003.1 C1008.1 C1009.1 C1010.1 C1011.1 C1052.1 C1053.1 C1073.1 C1074.1 C1075.1 C2304.1 C2305.1 C2306.1 C2306.2 C2307.1 C2308.1 C2309.1 L2300.2 R2300.1 R2300.2 U1000.K27(VDD_CPU_BIG0_MEM_1) U1000.K28(VDD_CPU_BIG0_MEM_2) U1000.K29(VDD_CPU_BIG0_MEM_3) U1000.K30(VDD_CPU_BIG0_MEM_4) U1000.M24(VDD_CPU_BIG0_1) U1000.M25(VDD_CPU_BIG0_2) U1000.M28(VDD_CPU_BIG0_3) U1000.M29(VDD_CPU_BIG0_4) U1000.M30(VDD_CPU_BIG0_5) U1000.N24(VDD_CPU_BIG0_6) U1000.N25(VDD_CPU_BIG0_7) U1000.P23(VDD_CPU_BIG0_8) U1000.R23(VDD_CPU_BIG0_9) U1000.R24(VDD_CPU_BIG0_10) U2300.A4(VOUT)